# Altium PCB TEBF0808.PcbDoc (part 2 of 11) (continued)
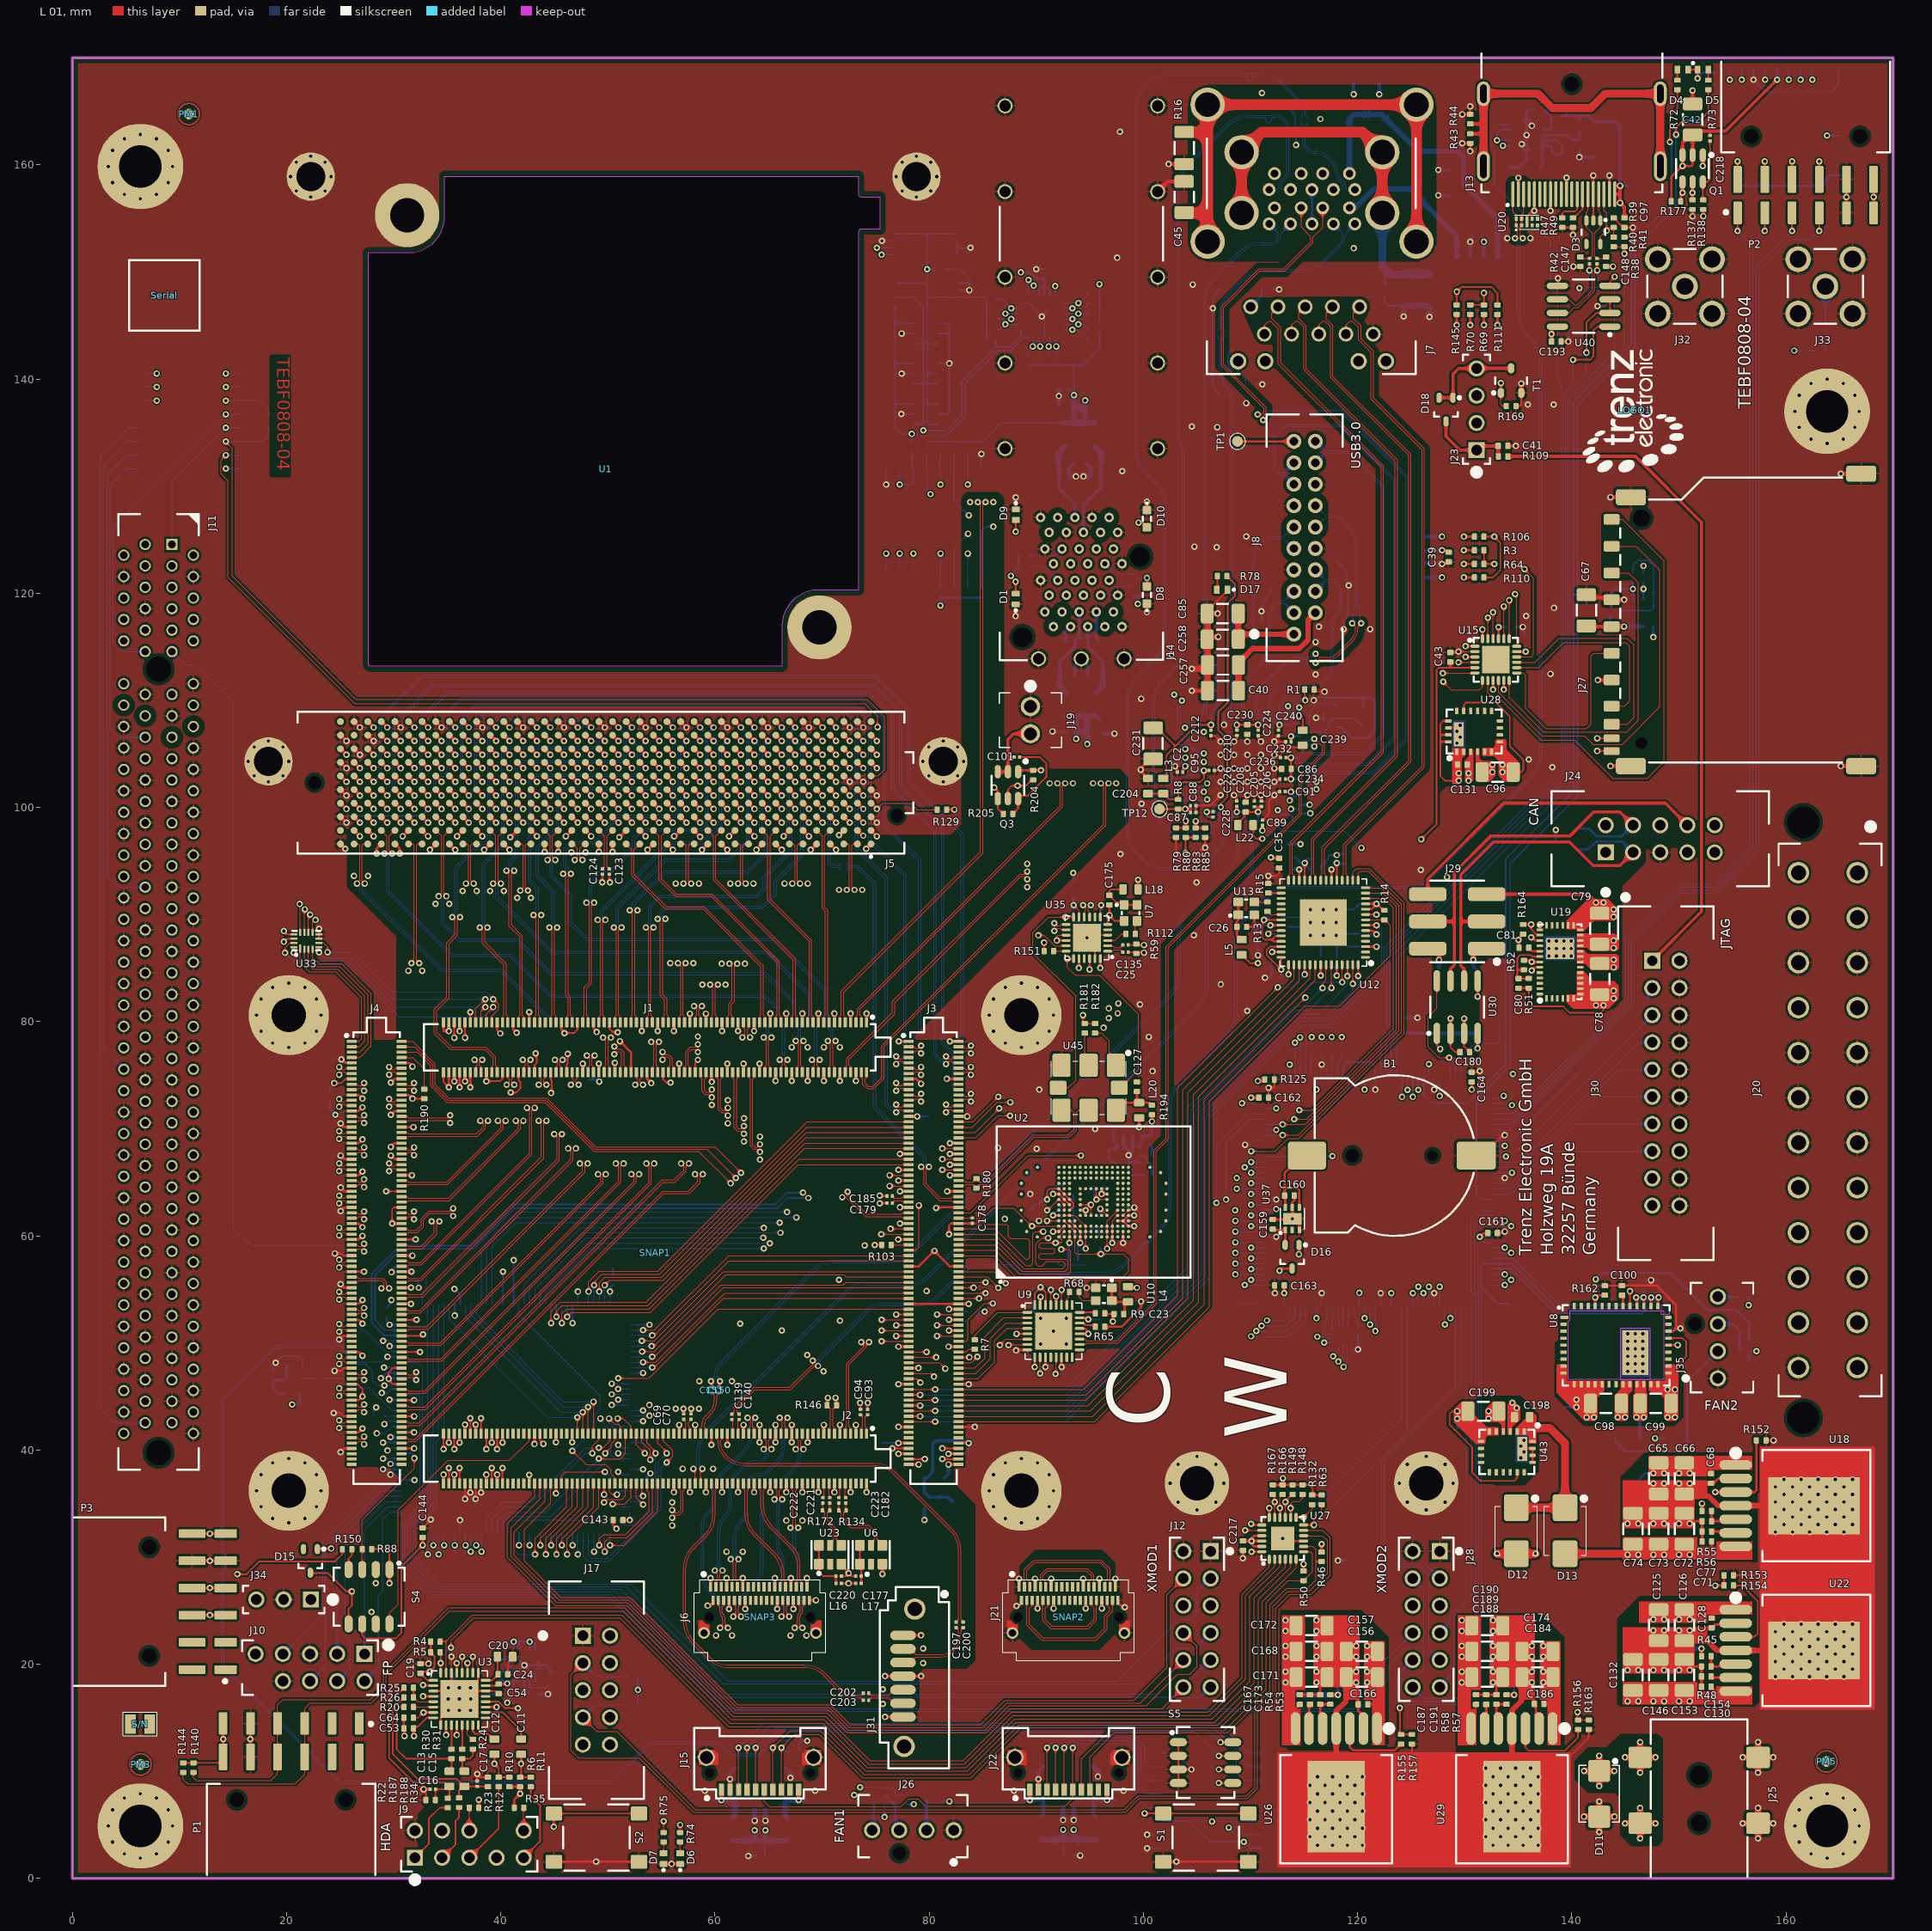
[diagram p0: L 01 view]
## Footprints (in the part's own frame and the unit in brackets; to place one, negate y for a bottom-side part, rotate by r counter-clockwise, add the part's x,y. Pads: shape width x height; smd on the part's side, far side on the other; paste and mask are expansions set on the pad) (continued)
  silkscreen extent -28.76,-7 28.71,6.62, body extent -28.73,-9.86 28.73,6.62, height 6.78
BGA169C50P14X28_1400X1800X80_MICRON [mm] "BGA, 169-Leads, Body 14,00x18,00mmx0.80mm, Pitch 0,50mm"
  round 0.3 smd: A4(-1.75,6.75) A6(-0.75,6.75) A9(0.75,6.75) A11(1.75,6.75) AA1(-3.25,-3.25) AA2(-2.75,-3.25) AA3(-2.25,-3.25) AA4(-1.75,-3.25) AA5(-1.25,-3.25) AA6(-0.75,-3.25) AA7(-0.25,-3.25) AA8(0.25,-3.25) AA9(0.75,-3.25) AA10(1.25,-3.25) AA11(1.75,-3.25) AA12(2.25,-3.25) AA13(2.75,-3.25) AA14(3.25,-3.25) AE1(-3.25,-5.25) AE14(3.25,-5.25) AG2(-2.75,-6.25) AG13(2.75,-6.25) AH4(-1.75,-6.75) AH6(-0.75,-6.75) AH9(0.75,-6.75) AH11(1.75,-6.75) B2(-2.75,6.25) B13(2.75,6.25) D1(-3.25,5.25) D14(3.25,5.25) H1(-3.25,3.25) H2(-2.75,3.25) H3(-2.25,3.25) H4(-1.75,3.25) H5(-1.25,3.25) H6(-0.75,3.25) H7(-0.25,3.25) H8(0.25,3.25) H9(0.75,3.25) H10(1.25,3.25) H11(1.75,3.25) H12(2.25,3.25) H13(2.75,3.25) H14(3.25,3.25) J1(-3.25,2.75) J2(-2.75,2.75) J3(-2.25,2.75) J4(-1.75,2.75) J5(-1.25,2.75) J6(-0.75,2.75) J7(-0.25,2.75) J8(0.25,2.75) J9(0.75,2.75) J10(1.25,2.75) J11(1.75,2.75) J12(2.25,2.75) J13(2.75,2.75) J14(3.25,2.75) K1(-3.25,2.25) K2(-2.75,2.25) K3(-2.25,2.25) K4(-1.75,2.25) K5(-1.25,2.25) K6(-0.75,2.25) K7(-0.25,2.25) K8(0.25,2.25) K9(0.75,2.25) K10(1.25,2.25) K11(1.75,2.25) K12(2.25,2.25) K13(2.75,2.25) K14(3.25,2.25) L1(-3.25,1.75) L2(-2.75,1.75) L3(-2.25,1.75) L4(-1.75,1.75) L12(2.25,1.75) L13(2.75,1.75) L14(3.25,1.75) M1(-3.25,1.25) M2(-2.75,1.25) M3(-2.25,1.25) M5(-1.25,1.25) M6(-0.75,1.25) M7(-0.25,1.25) M8(0.25,1.25) M9(0.75,1.25) M10(1.25,1.25) M12(2.25,1.25) M13(2.75,1.25) M14(3.25,1.25) N1(-3.25,0.75) N2(-2.75,0.75) N3(-2.25,0.75) N5(-1.25,0.75) N10(1.25,0.75) N12(2.25,0.75) N13(2.75,0.75) N14(3.25,0.75) P1(-3.25,0.25) P2(-2.75,0.25) P3(-2.25,0.25) P5(-1.25,0.25) P10(1.25,0.25) P12(2.25,0.25) P13(2.75,0.25) P14(3.25,0.25) R1(-3.25,-0.25) R2(-2.75,-0.25) R3(-2.25,-0.25) R5(-1.25,-0.25) R10(1.25,-0.25) R12(2.25,-0.25) R13(2.75,-0.25) R14(3.25,-0.25) T1(-3.25,-0.75) T2(-2.75,-0.75) T3(-2.25,-0.75) T5(-1.25,-0.75) T10(1.25,-0.75) T12(2.25,-0.75) T13(2.75,-0.75) T14(3.25,-0.75) U1(-3.25,-1.25) U2(-2.75,-1.25) U3(-2.25,-1.25) U5(-1.25,-1.25) U6(-0.75,-1.25) U7(-0.25,-1.25) U8(0.25,-1.25) U9(0.75,-1.25) U10(1.25,-1.25) U12(2.25,-1.25) U13(2.75,-1.25) U14(3.25,-1.25) V1(-3.25,-1.75) V2(-2.75,-1.75) V3(-2.25,-1.75) V12(2.25,-1.75) V13(2.75,-1.75) V14(3.25,-1.75) W1(-3.25,-2.25) W2(-2.75,-2.25) W3(-2.25,-2.25) W4(-1.75,-2.25) W5(-1.25,-2.25) W6(-0.75,-2.25) W7(-0.25,-2.25) W8(0.25,-2.25) W9(0.75,-2.25) W10(1.25,-2.25) W11(1.75,-2.25) W12(2.25,-2.25) W13(2.75,-2.25) W14(3.25,-2.25) Y1(-3.25,-2.75) Y2(-2.75,-2.75) Y3(-2.25,-2.75) Y4(-1.75,-2.75) Y5(-1.25,-2.75) Y6(-0.75,-2.75) Y7(-0.25,-2.75) Y8(0.25,-2.75) Y9(0.75,-2.75) Y10(1.25,-2.75) Y11(1.75,-2.75) Y12(2.25,-2.75) Y13(2.75,-2.75) Y14(3.25,-2.75)
  silkscreen extent -7.55,-9.05 7.05,9.05, body extent -7.05,-9.05 7.05,9.05, height 0.81
CAPC0603X33N [mm]
  rrect33% 0.3x0.33 smd: 1(-0.252,0) 2(0.252,0)
  body extent -0.3,-0.15 0.3,0.15, height 0.29
CAPC1005X55N [mm] "Vishay VJ0402 1 x 0.5mm (+/- 0.05), 0.25mm +0.05/-0.1mm Kontakte"
  rrect33% 0.5x0.6 smd: 1(-0.45,0) 2(0.45,0)
  body extent -0.5,-0.25 0.5,0.25, height 0.5
CAPC1005X60N [mm] "Vishay VJ0402 1 x 0.5mm (+/- 0.05), 0.25mm +0.05/-0.1mm Kontakte"
  rrect33% 0.5x0.6 smd: 1(-0.45,0) 2(0.45,0)
  body extent -0.5,-0.25 0.5,0.25, height 0.5
CAPC1608X90N [mm] "Vishay VJ0603 1.6 x 0.8 (+0.15/-0.1) 0.4 +/- 0,15mm Kontakte"
  rrect33% 0.7x0.93 smd: 1(-0.71,0) 2(0.71,0)
  body extent -0.8,-0.4 0.8,0.4, height 0.8
CAPC3216X180N [mm]
  rrect33% 1.21x1.82 smd: 1(-1.45,0) 2(1.45,0)
  silkscreen extent -0.5,-0.9 0.5,0.9, body extent -1.6,-0.81 1.6,0.81, height 1.82
chipLED_0603_Green [mm]
  rrect30% 0.8x0.8 smd: A(0.8,0) K(-0.8,0)
  silkscreen extent -1.49,-0.4 0.2,0.4, body extent -0.8,-0.4 0.8,0.4, height 0.7
CHS-04TA [mm]
  oval 1.6x0.76 smd: 1(-2.54,1.905) 2(-2.54,0.635) 3(-2.54,-0.635) 4(-2.54,-1.905) 5(2.54,-1.905) 6(2.54,-0.635) 7(2.54,0.635) 8(2.54,1.905)
  silkscreen extent -3.25,-3.3 2.7,3.3, body extent -2.8,-3.3 2.8,3.3, height 2.5
CR1220 [mm]
  rrect20% 3.54x2.6 smd: +(8.23,0)
  rrect20% 3.66x2.6 smd: -(-7.57,0)
  round 0 hole 1.3 unplated: H1(4,0)
  round 0 hole 1 unplated: H2(-3.5,0)
  silkscreen extent -7.32,-7.5 7.5,7.5, body extent -8.8,-7.5 9.7,7.5, height 4.04
DIOM4336X250N [mm]
  rrect20% 2.5x2.3 smd: 1(-2.15,0) 2(2.15,0)
  silkscreen extent -3.2,-1.97 2.29,1.97, body extent -2.7,-1.8 2.7,1.8, height 2.5
DIOM5236X261N [mm]
  rrect20% 2.06x2.04 smd: 1(-2.135,0) 2(2.135,0)
  silkscreen extent -3.2,-1.87 2.65,1.87, body extent -2.65,-1.85 2.65,1.85, height 2.2
DTSM61N [mm] "SMD-Taster"
  rrect20% 1.55x1.3 smd: 1(-3.975,2.25) 1(3.975,2.25) 2(-3.975,-2.25) 2(3.975,-2.25)
  silkscreen extent -3.1,-3.1 3.1,3.1, body extent -3.1,-3.1 3.1,3.1, height 4.5
EN63xx [mm]
  rrect33% 0.6x0.25 smd: 1(-3.4,1.25) 2(-3.4,0.75) 3(-3.4,0.25) 4(-3.4,-0.25) 5(-3.4,-0.75) 6(-3.4,-1.25) 20(3.4,-1.25) 21(3.4,-0.75) 22(3.4,-0.25) 23(3.4,0.25) 24(3.4,0.75) 25(3.4,1.25)
  rrect33% 0.25x0.6 smd: 7(-3,-1.9) 8(-2.5,-1.9) 9(-2,-1.9) 10(-1.5,-1.9) 11(-1,-1.9) 12(-0.5,-1.9) 13(0,-1.9) 14(0.5,-1.9) 15(1,-1.9) 16(1.5,-1.9) 17(2,-1.9) 18(2.5,-1.9) 19(3,-1.9) 26(3,1.9) 27(2.5,1.9) 28(2,1.9) 29(1.5,1.9) 30(1,1.9) 31(0.5,1.9) 32(0,1.9) 33(-0.5,1.9) 34(-1,1.9) 35(-1.5,1.9) 36(-2,1.9) 37(-2.5,1.9) 38(-3,1.9)
  rect 1.94x2.6 smd: 39(1.255,0)
  silkscreen extent -3.75,-2 3.5,2.02, body extent -3.5,-2 3.5,2, height 1.91
EN5311QI [mm]
  rrect33% 0.6x0.3 smd: 1(-1.9,1.625) 2(-1.9,0.975) 3(-1.9,0.325) 4(-1.9,-0.325) 5(-1.9,-0.975) 6(-1.9,-1.625) 11(1.9,-1.625) 12(1.9,-0.975) 13(1.9,-0.325) 14(1.9,0.325) 15(1.9,0.975) 16(1.9,1.625)
  rrect33% 0.3x0.6 smd: 7(-0.975,-2.4) 8(-0.325,-2.4) 9(0.325,-2.4) 10(0.975,-2.4) 17(0.975,2.4) 18(0.325,2.4) 19(-0.325,2.4) 20(-0.975,2.4)
  rect 2.25x0.9 smd: 21(-0.275,1.45)
  silkscreen extent -2.65,-2.55 2.05,2.55, body extent -2.05,-2.55 2.05,2.55, height 1.16
EN5335QI [mm]
  rrect33% 0.75x0.3 smd: 1(-4.825,2.6)
  rrect33% 0.6x0.3 smd: 2(-4.9,1.95) 3(-4.9,1.3) 4(-4.9,0.65) 5(-4.9,0) 6(-4.9,-0.65) 7(-4.9,-1.3) 8(-4.9,-1.95) 9(-4.9,-2.6) 23(4.9,-2.6) 24(4.9,-1.95) 25(4.9,-1.3) 26(4.9,-0.65) 27(4.9,0) 28(4.9,0.65) 29(4.9,1.3) 30(4.9,1.95) 31(4.9,2.6)
  rrect33% 0.3x0.6 smd: 10(-3.9,-3.65) 11(-3.25,-3.65) 12(-2.6,-3.65) 13(-1.95,-3.65) 14(-1.3,-3.65) 15(-0.65,-3.65) 16(0,-3.65) 17(0.65,-3.65) 18(1.3,-3.65) 19(1.95,-3.65) 20(2.6,-3.65) 21(3.25,-3.65) 22(3.9,-3.65) 32(3.9,3.65) 33(3.25,3.65) 34(2.6,3.65) 35(1.95,3.65) 36(1.3,3.65) 37(0.65,3.65) 38(0,3.65) 39(-0.65,3.65) 40(-1.3,3.65) 41(-1.95,3.65) 42(-2.6,3.65) 43(-3.25,3.65) 44(-3.9,3.65)
  rect 2.425x4.15 smd: 45(1.8,-0.7)
  L 01 keep-out region: -4.45,-3.2 -4.45,2.3 -4.3,2.3 -4.3,3.2 4.45,3.2 4.45,-3.2 3.2,-3.2 3.2,1.55 0.4,1.55 0.4,-3.2 3.2,-3.2
  L 01 keep-out region: 4.2,3.75 4.2,2.9 5,2.9 5,3.75
  silkscreen extent -5.42,-3.75 5,3.75, body extent -5,-3.75 5,3.75, height 1.87
F455B-05MD [mm]
  round 6 hole 3.2: 1(19.25,19.25) 2(-19.25,-19.25)
  body extent -22.5,-22.5 22.5,22.5, height 3.51
"FIDU-DOT - small" [mm]
  round 1 smd paste-1: 0(0,0)
  L 01 circle w0.15: c0,0 r1
FireFly_Snap [mm]
FMC-MM-Single-Base [mm]
  round 4.5 hole 2.7: 3(29.01,56.6) 4(-27.54,56.6) 5(31.51,2) 6(-31.49,2)
  body extent -29.81,54.37 31.24,71.12, height 11.7
INDC0603X33N [mm]
  rrect33% 0.3x0.33 smd: 1(-0.252,0) 2(0.252,0)
  body extent -0.3,-0.15 0.3,0.15, height 0.33
INDC1608X95N [mm]
  rrect33% 0.7x0.95 smd: 1(-0.71,0) 2(0.71,0)
  body extent -0.8,-0.48 0.8,0.47, height 0.8
INDC2520X100N [mm]
  rrect33% 1.24x2.22 smd: 1(-1.09,0) 2(1.09,0)
  body extent -1.25,-1 1.25,1, height 0.9
INTEL_FP_HDA_9PIN [mm]
  rect 1.5x1.5 hole 1: 1(-5.08,-1.27)
  round 1.5 hole 1: 2(-5.08,1.27) 3(-2.54,-1.27) 4(-2.54,1.27) 5(0,-1.27) 6(0,1.27) 7(2.54,-1.27) 9(5.08,-1.27) 10(5.08,1.27)
  silkscreen extent -6.35,-3.62 6.35,2.54, body extent -6.14,-2.44 6.14,2.44, height 8.38
INTEL_FP_RST_LED_9PIN [mm]
  rect 1.5x1.5 hole 1: 1(-5.08,-1.27)
  round 1.5 hole 1: 2(-5.08,1.27) 3(-2.54,-1.27) 4(-2.54,1.27) 5(0,-1.27) 6(0,1.27) 7(2.54,-1.27) 8(2.54,1.27) 9(5.08,-1.27)
  silkscreen extent -7.61,-2.54 6.35,2.54, body extent -6.14,-2.44 6.15,2.44, height 8.38
JUMPER2_54-3 [mm]
  rect 1.5x1.5 hole 1: 1(2.54,0)
  round 1.5 hole 1: 2(0,0) 3(-2.54,0)
  silkscreen extent -3.81,-1.27 4.89,1.27, body extent -3.71,-1.25 3.91,1.25, height 8.2
LEDC1006X25N_GREEN [mm] "LED 0402, 2-Leads, Body 1,0x0,6mm, IPC Medium Density"
  rrect20% 0.54x0.74 smd: A(-0.5,0) K(0.5,0)
  silkscreen extent 0.85,0.51 1.05,0.71, body extent -0.51,-0.25 0.51,0.25, height 0.45
LEDC1006X25N_RED [mm] "LED 0402, 2-Leads, Body 1,0x0,6mm, IPC Medium Density"
  rrect20% 0.54x0.74 smd: A(-0.5,0) K(0.5,0)
  silkscreen extent 0.98,-0.1 1.17,0.1, body extent -0.5,-0.25 0.51,0.25, height 0.45
"LOGO PRINT" [mm]
  silkscreen extent -5.81,-4.55 5.64,4.83
Molex22-27-2021 [mm]
  round 1.8 hole 1.2: 1(1.27,0) 2(-1.27,0)
  silkscreen extent -2.55,-2.9 3.48,2.9, body extent -2.54,-2.9 2.54,2.9, height 11.72
OSCCC320X250X60N [mm] "Oscillator, Corner Concave; 3.20 mm L X 2.50 mm W X 0.60 mm H body"
  rrect33% 0.96x1.21 smd: 1(-0.93,1.155) 2(-0.93,-1.155) 3(0.93,-1.155) 4(0.93,1.155)
  silkscreen extent -1.9,-1.6 1.25,1.6, body extent -1.25,-1.6 1.25,1.6, height 0.6
OSCCC500X700X180-8N [mm] "Si570/Si571_P6L7.0H1.8W5mm_R"
  rrect20% 2.15x1.7 smd: 1(-2.1,2.552) 2(-2.1,0.012) 3(-2.1,-2.528) 4(2.1,-2.528) 5(2.1,0.012) 6(2.1,2.552)
  rrect20% 1.3x1.55 smd: 7(0,2.867) 8(0,-2.843)
  silkscreen extent -3.4,-3.49 2.5,3.86, body extent -2.5,-3.51 2.5,3.51, height 2
PCIe-x16-E.C.Connector [mm]
  rect 1.05x1.05 hole 0.7: A1(-11.65,1.25)
  round 1.05 hole 0.7: A2(-10.65,3.25) A3(-9.65,1.25) A4(-8.65,3.25) A5(-7.65,1.25) A6(-6.65,3.25) A7(-5.65,1.25) A8(-4.65,3.25) A9(-3.65,1.25) A10(-2.65,3.25) A11(-1.65,1.25) A12(1.35,3.25) A13(2.35,1.25) A14(3.35,3.25) A15(4.35,1.25) A16(5.35,3.25) A17(6.35,1.25) A18(7.35,3.25) A19(8.35,1.25) A20(9.35,3.25) A21(10.35,1.25) A22(11.35,3.25) A23(12.35,1.25) A24(13.35,3.25) A25(14.35,1.25) A26(15.35,3.25) A27(16.35,1.25) A28(17.35,3.25) A29(18.35,1.25) A30(19.35,3.25) A31(20.35,1.25) A32(21.35,3.25) A33(22.35,1.25) A34(23.35,3.25) A35(24.35,1.25) A36(25.35,3.25) A37(26.35,1.25) A38(27.35,3.25) A39(28.35,1.25) A40(29.35,3.25) A41(30.35,1.25) A42(31.35,3.25) A43(32.35,1.25) A44(33.35,3.25) A45(34.35,1.25) A46(35.35,3.25) A47(36.35,1.25) A48(37.35,3.25) A49(38.35,1.25) A50(39.35,3.25) A51(40.35,1.25) A52(41.35,3.25) A53(42.35,1.25) A54(43.35,3.25) A55(44.35,1.25) A56(45.35,3.25) A57(46.35,1.25) A58(47.35,3.25) A59(48.35,1.25) A60(49.35,3.25) A61(50.35,1.25) A62(51.35,3.25) A63(52.35,1.25) A64(53.35,3.25) A65(54.35,1.25) A66(55.35,3.25) A67(56.35,1.25) A68(57.35,3.25) A69(58.35,1.25) A70(59.35,3.25) A71(60.35,1.25) A72(61.35,3.25) A73(62.35,1.25) A74(63.35,3.25) A75(64.35,1.25) A76(65.35,3.25) A77(66.35,1.25) A78(67.35,3.25) A79(68.35,1.25) A80(69.35,3.25) A81(70.35,1.25) A82(71.35,3.25) B1(-11.65,-1.25) B2(-10.65,-3.25) B3(-9.65,-1.25) B4(-8.65,-3.25) B5(-7.65,-1.25) B6(-6.65,-3.25) B7(-5.65,-1.25) B8(-4.65,-3.25) B9(-3.65,-1.25) B10(-2.65,-3.25) B11(-1.65,-1.25) B12(1.35,-3.25) B13(2.35,-1.25) B14(3.35,-3.25) B15(4.35,-1.25) B16(5.35,-3.25) B17(6.35,-1.25) B18(7.35,-3.25) B19(8.35,-1.25) B20(9.35,-3.25) B21(10.35,-1.25) B22(11.35,-3.25) B23(12.35,-1.25) B24(13.35,-3.25) B25(14.35,-1.25) B26(15.35,-3.25) B27(16.35,-1.25) B28(17.35,-3.25) B29(18.35,-1.25) B30(19.35,-3.25) B31(20.35,-1.25) B32(21.35,-3.25) B33(22.35,-1.25) B34(23.35,-3.25) B35(24.35,-1.25) B36(25.35,-3.25) B37(26.35,-1.25) B38(27.35,-3.25) B39(28.35,-1.25) B40(29.35,-3.25) B41(30.35,-1.25) B42(31.35,-3.25) B43(32.35,-1.25) B44(33.35,-3.25) B45(34.35,-1.25) B46(35.35,-3.25) B47(36.35,-1.25) B48(37.35,-3.25) B49(38.35,-1.25) B50(39.35,-3.25) B51(40.35,-1.25) B52(41.35,-3.25) B53(42.35,-1.25) B54(43.35,-3.25) B55(44.35,-1.25) B56(45.35,-3.25) B57(46.35,-1.25) B58(47.35,-3.25) B59(48.35,-1.25) B60(49.35,-3.25) B61(50.35,-1.25) B62(51.35,-3.25) B63(52.35,-1.25) B64(53.35,-3.25) B65(54.35,-1.25) B66(55.35,-3.25) B67(56.35,-1.25) B68(57.35,-3.25) B69(58.35,-1.25) B70(59.35,-3.25) B71(60.35,-1.25) B72(61.35,-3.25) B73(62.35,-1.25) B74(63.35,-3.25) B75(64.35,-1.25) B76(65.35,-3.25) B77(66.35,-1.25) B78(67.35,-3.25) B79(68.35,-1.25) B80(69.35,-3.25) B81(70.35,-1.25) B82(71.35,-3.25)
  round 0 hole 2.355 unplated: H1(0,0) H2(73.15,0)
  silkscreen extent -14.5,-3.75 74.73,3.75, body extent -14.65,-4.88 74.35,3.73, height 11.03
PSON105P320X250X90-6N [mm] "Pullback Small Outline No-Lead (PSON), 1.05 mm pitch; 6 pin, 3.20 mm L X 2.50 mm W X 0.90 mm H body"
  rrect20% 1x0.9 smd: 1(-0.875,1.05) 3(-0.875,-1.05) 4(0.875,-1.05) 6(0.875,1.05)
  rrect20% 1x0.55 smd: 2(-0.875,0) 5(0.875,0)
  silkscreen extent -1.95,-1.72 1.28,1.72, body extent -1.28,-1.63 1.28,1.63, height 0.91
QFN40P10X10X1-89T530 [mm] "Quad Flat No-Lead (QFN with Tab), 0.40 mm pitch; square, 22 pin X 22 pin, 10.00 mm L X 10.00 mm W X 1.00 mm H body"
  rrect33% 0.86x0.22 smd: 1(-4.935,4.2) 2(-4.935,3.8) 3(-4.935,3.4) 4(-4.935,3) 5(-4.935,2.6) 6(-4.935,2.2) 7(-4.935,1.8) 8(-4.935,1.4) 9(-4.935,1) 10(-4.935,0.6) 11(-4.935,0.2) 12(-4.935,-0.2) 13(-4.935,-0.6) 14(-4.935,-1) 15(-4.935,-1.4) 16(-4.935,-1.8) 17(-4.935,-2.2) 18(-4.935,-2.6) 19(-4.935,-3) 20(-4.935,-3.4) 21(-4.935,-3.8) 22(-4.935,-4.2) 45(4.935,-4.2) 46(4.935,-3.8) 47(4.935,-3.4) 48(4.935,-3) 49(4.935,-2.6) 50(4.935,-2.2) 51(4.935,-1.8) 52(4.935,-1.4) 53(4.935,-1) 54(4.935,-0.6) 55(4.935,-0.2) 56(4.935,0.2) 57(4.935,0.6) 58(4.935,1) 59(4.935,1.4) 60(4.935,1.8) 61(4.935,2.2) 62(4.935,2.6) 63(4.935,3) 64(4.935,3.4) 65(4.935,3.8) 66(4.935,4.2)
  rrect33% 0.22x0.86 smd: 23(-4.2,-4.935) 24(-3.8,-4.935) 25(-3.4,-4.935) 26(-3,-4.935) 27(-2.6,-4.935) 28(-2.2,-4.935) 29(-1.8,-4.935) 30(-1.4,-4.935) 31(-1,-4.935) 32(-0.6,-4.935) 33(-0.2,-4.935) 34(0.2,-4.935) 35(0.6,-4.935) 36(1,-4.935) 37(1.4,-4.935) 38(1.8,-4.935) 39(2.2,-4.935) 40(2.6,-4.935) 41(3,-4.935) 42(3.4,-4.935) 43(3.8,-4.935) 44(4.2,-4.935) 67(4.2,4.935) 68(3.8,4.935) 69(3.4,4.935) 70(3,4.935) 71(2.6,4.935) 72(2.2,4.935) 73(1.8,4.935) 74(1.4,4.935) 75(1,4.935) 76(0.6,4.935) 77(0.2,4.935) 78(-0.2,4.935) 79(-0.6,4.935) 80(-1,4.935) 81(-1.4,4.935) 82(-1.8,4.935) 83(-2.2,4.935) 84(-2.6,4.935) 85(-3,4.935) 86(-3.4,4.935) 87(-3.8,4.935) 88(-4.2,4.935)
  rect 5.3x5.3 smd paste-5.3 mask+0: 89(0,0)
  silkscreen extent -5.5,-5.05 5.05,5.05, body extent -5.05,-5.05 5.05,5.05, height 1
QFN40P260X180X55-16N [mm]
  rrect20% 0.75x0.2 smd: 1(-0.725,0.6)
  rrect20% 0.65x0.2 smd: 2(-0.775,0.2) 3(-0.775,-0.2) 4(-0.775,-0.6) 9(0.775,-0.6) 10(0.775,-0.2) 11(0.775,0.2) 12(0.775,0.6)
  rrect20% 0.2x0.65 smd: 5(-0.6,-1.175) 6(-0.2,-1.175) 7(0.2,-1.175) 8(0.6,-1.175) 13(0.6,1.175) 14(0.2,1.175) 15(-0.2,1.175) 16(-0.6,1.175)
  silkscreen extent -1.4,-1.3 0.9,1.3, body extent -0.93,-1.33 0.93,1.33, height 0.56
QFN50P400X400X80-25N-255 [mm] "QFN, 24-Leads, Body 4,1x4,1mm (max), Pitch 0,50mm, IPC Medium Density"
  oval 0.85x0.3 smd: 1(-1.95,1.25) 2(-1.95,0.75) 3(-1.95,0.25) 4(-1.95,-0.25) 5(-1.95,-0.75) 6(-1.95,-1.25) 13(1.95,-1.25) 14(1.95,-0.75) 15(1.95,-0.25) 16(1.95,0.25) 17(1.95,0.75) 18(1.95,1.25)
  oval 0.3x0.85 smd: 7(-1.25,-1.95) 8(-0.75,-1.95) 9(-0.25,-1.95) 10(0.25,-1.95) 11(0.75,-1.95) 12(1.25,-1.95) 19(1.25,1.95) 20(0.75,1.95) 21(0.25,1.95) 22(-0.25,1.95) 23(-0.75,1.95) 24(-1.25,1.95)
  rect 2.55x2.55 smd: 25(0,0)
  silkscreen extent -2.55,-2.05 2.05,2.05, body extent -2,-2 2,2, height 1
QFN50P400X400X90-25N [mm]
  oval 0.83x0.26 smd: 1(-1.94,1.25) 2(-1.94,0.75) 3(-1.94,0.25) 4(-1.94,-0.25) 5(-1.94,-0.75) 6(-1.94,-1.25) 13(1.94,-1.25) 14(1.94,-0.75) 15(1.94,-0.25) 16(1.94,0.25) 17(1.94,0.75) 18(1.94,1.25)
  oval 0.26x0.83 smd: 7(-1.25,-1.94) 8(-0.75,-1.94) 9(-0.25,-1.94) 10(0.25,-1.94) 11(0.75,-1.94) 12(1.25,-1.94) 19(1.25,1.94) 20(0.75,1.94) 21(0.25,1.94) 22(-0.25,1.94) 23(-0.75,1.94) 24(-1.25,1.94)
  rect 2.6x2.6 smd: 25(0,0)
  silkscreen extent -2.45,-2.06 2.06,2.06, body extent -2,-2 2,2, height 1
QFN50P400X400X100-25N-220 [mm]
  oval 0.85x0.3 smd: 1(-1.95,1.25) 2(-1.95,0.75) 3(-1.95,0.25) 4(-1.95,-0.25) 5(-1.95,-0.75) 6(-1.95,-1.25) 13(1.95,-1.25) 14(1.95,-0.75) 15(1.95,-0.25) 16(1.95,0.25) 17(1.95,0.75) 18(1.95,1.25)
  oval 0.3x0.85 smd: 7(-1.25,-1.95) 8(-0.75,-1.95) 9(-0.25,-1.95) 10(0.25,-1.95) 11(0.75,-1.95) 12(1.25,-1.95) 19(1.25,1.95) 20(0.75,1.95) 21(0.25,1.95) 22(-0.25,1.95) 23(-0.75,1.95) 24(-1.25,1.95)
  rect 2.2x2.2 smd: 25(0,0)
  silkscreen extent -2.45,-2 2,2, body extent -2,-2 2,2, height 0.9
QFN50P500X500X100-33N [mm]
  oval 0.9x0.26 smd: 1(-2.44,1.75) 2(-2.44,1.25) 3(-2.44,0.75) 4(-2.44,0.25) 5(-2.44,-0.25) 6(-2.44,-0.75) 7(-2.44,-1.25) 8(-2.44,-1.75) 17(2.44,-1.75) 18(2.44,-1.25) 19(2.44,-0.75) 20(2.44,-0.25) 21(2.44,0.25) 22(2.44,0.75) 23(2.44,1.25) 24(2.44,1.75)
  oval 0.26x0.9 smd: 9(-1.75,-2.44) 10(-1.25,-2.44) 11(-0.75,-2.44) 12(-0.25,-2.44) 13(0.25,-2.44) 14(0.75,-2.44) 15(1.25,-2.44) 16(1.75,-2.44) 25(1.75,2.44) 26(1.25,2.44) 27(0.75,2.44) 28(0.25,2.44) 29(-0.25,2.44) 30(-0.75,2.44) 31(-1.25,2.44) 32(-1.75,2.44)
  rect 3.55x3.55 smd: 33(0,0)
  silkscreen extent -2.99,-2.64 2.64,2.63, body extent -2.52,-2.51 2.5,2.51, height 0.8
QFN50P500X500X100-33N-345 [mm]
  oval 0.9x0.26 smd: 1(-2.44,1.75) 2(-2.44,1.25) 3(-2.44,0.75) 4(-2.44,0.25) 5(-2.44,-0.25) 6(-2.44,-0.75) 7(-2.44,-1.25) 8(-2.44,-1.75) 17(2.44,-1.75) 18(2.44,-1.25) 19(2.44,-0.75) 20(2.44,-0.25) 21(2.44,0.25) 22(2.44,0.75) 23(2.44,1.25) 24(2.44,1.75)
  oval 0.26x0.9 smd: 9(-1.75,-2.44) 10(-1.25,-2.44) 11(-0.75,-2.44) 12(-0.25,-2.44) 13(0.25,-2.44) 14(0.75,-2.44) 15(1.25,-2.44) 16(1.75,-2.44) 25(1.75,2.44) 26(1.25,2.44) 27(0.75,2.44) 28(0.25,2.44) 29(-0.25,2.44) 30(-0.75,2.44) 31(-1.25,2.44) 32(-1.75,2.44)
  rect 3.45x3.45 smd: 33(0,0)
  silkscreen extent -2.99,-2.64 2.64,2.64, body extent -2.51,-2.51 2.51,2.51, height 1.12
QFN50P800X800X100-57N [mm]
  oval 0.84x0.26 smd: 1(-3.94,3.25) 2(-3.94,2.75) 3(-3.94,2.25) 4(-3.94,1.75) 5(-3.94,1.25) 6(-3.94,0.75) 7(-3.94,0.25) 8(-3.94,-0.25) 9(-3.94,-0.75) 10(-3.94,-1.25) 11(-3.94,-1.75) 12(-3.94,-2.25) 13(-3.94,-2.75) 14(-3.94,-3.25) 29(3.94,-3.25) 30(3.94,-2.75) 31(3.94,-2.25) 32(3.94,-1.75) 33(3.94,-1.25) 34(3.94,-0.75) 35(3.94,-0.25) 36(3.94,0.25) 37(3.94,0.75) 38(3.94,1.25) 39(3.94,1.75) 40(3.94,2.25) 41(3.94,2.75) 42(3.94,3.25)
  oval 0.26x0.84 smd: 15(-3.25,-3.94) 16(-2.75,-3.94) 17(-2.25,-3.94) 18(-1.75,-3.94) 19(-1.25,-3.94) 20(-0.75,-3.94) 21(-0.25,-3.94) 22(0.25,-3.94) 23(0.75,-3.94) 24(1.25,-3.94) 25(1.75,-3.94) 26(2.25,-3.94) 27(2.75,-3.94) 28(3.25,-3.94) 43(3.25,3.94) 44(2.75,3.94) 45(2.25,3.94) 46(1.75,3.94) 47(1.25,3.94) 48(0.75,3.94) 49(0.25,3.94) 50(-0.25,3.94) 51(-0.75,3.94) 52(-1.25,3.94) 53(-1.75,3.94) 54(-2.25,3.94) 55(-2.75,3.94) 56(-3.25,3.94)
  rect 4.37x4.37 smd: 57(0,0)
  silkscreen extent -4.6,-4.06 4.06,4.06, body extent -4.01,-4.02 4.02,4.01, height 0.94
QFP50P2200X2200X160-144N [mm]
  oval 1.47x0.28 smd: 1(-10.67,8.75) 2(-10.67,8.25) 3(-10.67,7.75) 4(-10.67,7.25) 5(-10.67,6.75) 6(-10.67,6.25) 7(-10.67,5.75) 8(-10.67,5.25) 9(-10.67,4.75) 10(-10.67,4.25) 11(-10.67,3.75) 12(-10.67,3.25) 13(-10.67,2.75) 14(-10.67,2.25) 15(-10.67,1.75) 16(-10.67,1.25) 17(-10.67,0.75) 18(-10.67,0.25) 19(-10.67,-0.25) 20(-10.67,-0.75) 21(-10.67,-1.25) 22(-10.67,-1.75) 23(-10.67,-2.25) 24(-10.67,-2.75) 25(-10.67,-3.25) 26(-10.67,-3.75) 27(-10.67,-4.25) 28(-10.67,-4.75) 29(-10.67,-5.25) 30(-10.67,-5.75) 31(-10.67,-6.25) 32(-10.67,-6.75) 33(-10.67,-7.25) 34(-10.67,-7.75) 35(-10.67,-8.25) 36(-10.67,-8.75) 73(10.67,-8.75) 74(10.67,-8.25) 75(10.67,-7.75) 76(10.67,-7.25) 77(10.67,-6.75) 78(10.67,-6.25) 79(10.67,-5.75) 80(10.67,-5.25) 81(10.67,-4.75) 82(10.67,-4.25) 83(10.67,-3.75) 84(10.67,-3.25) 85(10.67,-2.75) 86(10.67,-2.25) 87(10.67,-1.75) 88(10.67,-1.25) 89(10.67,-0.75) 90(10.67,-0.25) 91(10.67,0.25) 92(10.67,0.75) 93(10.67,1.25) 94(10.67,1.75) 95(10.67,2.25) 96(10.67,2.75) 97(10.67,3.25) 98(10.67,3.75) 99(10.67,4.25) 100(10.67,4.75) 101(10.67,5.25) 102(10.67,5.75) 103(10.67,6.25) 104(10.67,6.75) 105(10.67,7.25) 106(10.67,7.75) 107(10.67,8.25) 108(10.67,8.75)
  oval 0.28x1.47 smd: 37(-8.75,-10.67) 38(-8.25,-10.67) 39(-7.75,-10.67) 40(-7.25,-10.67) 41(-6.75,-10.67) 42(-6.25,-10.67) 43(-5.75,-10.67) 44(-5.25,-10.67) 45(-4.75,-10.67) 46(-4.25,-10.67) 47(-3.75,-10.67) 48(-3.25,-10.67) 49(-2.75,-10.67) 50(-2.25,-10.67) 51(-1.75,-10.67) 52(-1.25,-10.67) 53(-0.75,-10.67) 54(-0.25,-10.67) 55(0.25,-10.67) 56(0.75,-10.67) 57(1.25,-10.67) 58(1.75,-10.67) 59(2.25,-10.67) 60(2.75,-10.67) 61(3.25,-10.67) 62(3.75,-10.67) 63(4.25,-10.67) 64(4.75,-10.67) 65(5.25,-10.67) 66(5.75,-10.67) 67(6.25,-10.67) 68(6.75,-10.67) 69(7.25,-10.67) 70(7.75,-10.67) 71(8.25,-10.67) 72(8.75,-10.67) 109(8.75,10.67) 110(8.25,10.67) 111(7.75,10.67) 112(7.25,10.67) 113(6.75,10.67) 114(6.25,10.67) 115(5.75,10.67) 116(5.25,10.67) 117(4.75,10.67) 118(4.25,10.67) 119(3.75,10.67) 120(3.25,10.67) 121(2.75,10.67) 122(2.25,10.67) 123(1.75,10.67) 124(1.25,10.67) 125(0.75,10.67) 126(0.25,10.67) 127(-0.25,10.67) 128(-0.75,10.67) 129(-1.25,10.67) 130(-1.75,10.67) 131(-2.25,10.67) 132(-2.75,10.67) 133(-3.25,10.67) 134(-3.75,10.67) 135(-4.25,10.67) 136(-4.75,10.67) 137(-5.25,10.67) 138(-5.75,10.67) 139(-6.25,10.67) 140(-6.75,10.67) 141(-7.25,10.67) 142(-7.75,10.67) 143(-8.25,10.67) 144(-8.75,10.67)
  silkscreen extent -10.8,-10 10,10.8, body extent -11,-11 11,11, height 1.6
RESC0603X26N [mm]
  rrect33% 0.32x0.4 smd: 1(-0.33,0) 2(0.33,0)
  body extent -0.34,-0.16 0.34,0.17, height 0.34
RESC1005X40N [mm] "Vishay D0402 1 x 0.5mm (+/- 0.05), 0.2mm +/-0.1mm Kontakte"
  rrect33% 0.48x0.6 smd: 1(-0.445,0) 2(0.445,0)
  body extent -0.5,-0.25 0.5,0.25, height 0.35
RESC3216X65N [mm] "Vishay D1206 3.2 x 1.6 (+/- 0.15), 0.2mm - 0.6mm Kontakte"
  rrect20% 1.1x1.8 smd: 1(-1.5,0) 2(1.5,0)
  silkscreen extent -0.55,-0.9 0.55,0.9, body extent -1.6,-0.8 1.6,0.8, height 0.55
RESC6332X80N [mm]
  rrect20% 1.3x3.35 smd: 1(-2.9,0) 2(2.9,0)
  silkscreen extent -2.07,-1.7 2.07,1.7, body extent -3.15,-1.6 3.15,1.6, height 0.8
SDA-44206-0001 [mm]
  round 2 hole 1.4: 1(23.1,-2.75) 2(18.9,-2.75) 3(14.7,-2.75) 4(10.5,-2.75) 5(6.3,-2.75) 6(2.1,-2.75) 7(-2.1,-2.75) 8(-6.3,-2.75) 9(-10.5,-2.75) 10(-14.7,-2.75) 11(-18.9,-2.75) 12(-23.1,-2.75) 13(23.1,2.75) 14(18.9,2.75) 15(14.7,2.75) 16(10.5,2.75) 17(6.3,2.75) 18(2.1,2.75) 19(-2.1,2.75) 20(-6.3,2.75) 21(-10.5,2.75) 22(-14.7,2.75) 23(-18.9,2.75) 24(-23.1,2.75)
  round 0 hole 3 unplated: PEG1(-27.8,2.29) PEG2(27.8,2.29)
  silkscreen extent -25.8,-5 27.7,4.6, body extent -28.8,-5 28.8,6, height 12.8
Serial_6.3x6.3mm [mm]
  silkscreen extent -3.3,-3.3 3.3,3.3
SMA-R125426000 [mm] "SMA Straight Socket"
  round 2.4 hole 1.6: 1(0,0) 2(-2.54,2.54) 3(-2.54,-2.54) 4(2.54,-2.54) 5(2.54,2.54)
  silkscreen extent -3.5,-3.5 3.5,3.5, body extent -3.5,-3.5 3.5,3.5, height 9.6
SMD-254-9132-14-6 [mm]
  rrect50% 1.3x3.5 smd: 1(-2.54,-2.75) 2(-2.54,2.75) 3(0,-2.75) 4(0,2.75) 5(2.54,-2.75) 6(2.54,2.75)
  silkscreen extent -3.95,-3.9 3.81,2.5, body extent -3.86,-3.75 3.76,3.75, height 9.77
SOD3816X120N [mm]
  rrect20% 1x0.8 smd: 1(-1.8,0) 2(1.8,0)
  silkscreen extent -2,-0.9 1.43,1, body extent -1.42,-0.9 1.43,0.9, height 1.2
SOIC127P600X175-8N [mm] "SOIC, 8-Leads, Body 5,0x4,0mm (max), Pitch 1,27mm, IPC Medium Density"
  oval 2x0.6 smd: 1(-2.45,1.905) 2(-2.45,0.635) 3(-2.45,-0.635) 4(-2.45,-1.905) 5(2.45,-1.905) 6(2.45,-0.635) 7(2.45,0.635) 8(2.45,1.905)
  silkscreen extent -2.57,-2.5 1,2.78, body extent -3,-2.45 3,2.45, height 1.75
SOIC127P1030X265-16N [mm]
  oval 2x0.6 smd: 1(-4.65,4.445) 2(-4.65,3.175) 3(-4.65,1.905) 4(-4.65,0.635) 5(-4.65,-0.635) 6(-4.65,-1.905) 7(-4.65,-3.175) 8(-4.65,-4.445) 9(4.65,-4.445) 10(4.65,-3.175) 11(4.65,-1.905) 12(4.65,-0.635) 13(4.65,0.635) 14(4.65,1.905) 15(4.65,3.175) 16(4.65,4.445)
  silkscreen extent -4.85,-5.25 3.5,5.49, body extent -5.31,-5.25 5.32,5.25, height 2.64
SON50P300X300X100-11N-TI [mm]
  oval 0.79x0.26 smd: 1(-1.47,1) 2(-1.47,0.5) 3(-1.47,0) 4(-1.47,-0.5) 5(-1.47,-1) 6(1.47,-1) 7(1.47,-0.5) 8(1.47,0) 9(1.47,0.5) 10(1.47,1)
  rect 1.75x2.5 smd: 11(0,0)
  L 01 region: 0.135,-1.2 0.365,-1.2 0.365,-1.55 0.135,-1.55
  L 01 region: -0.135,-1.2 -0.365,-1.2 -0.365,-1.55 -0.135,-1.55
  L 01 region: -0.135,1.2 -0.365,1.2 -0.365,1.55 -0.135,1.55
  L 01 region: 0.135,1.2 0.365,1.2 0.365,1.55 0.135,1.55
  silkscreen extent -2,-1.61 1.61,1.61, body extent -1.55,-1.55 1.55,1.55, height 1.01
SON65P200X200X80-7N [mm]
  rrect20% 0.61x0.32 smd: 1(-1.055,0.65) 2(-1.055,0) 3(-1.055,-0.65) 4(1.055,-0.65) 5(1.055,0) 6(1.055,0.65)
  rect 1.1x1.7 smd: 7(0,0)
  silkscreen extent -1.42,-1.11 0.99,1.2, body extent -1.05,-1.05 1.05,1.05, height 0.81